# Altium PCB DCI_MB1137 - saved2.PcbDoc (part 2 of 2)
Units mm, origin at the board's own origin, x right, y up, seen from the top; angles counter-clockwise.
Board outline 74.3 x 76.2 mm, 6 copper layers (Top Layer, Top Internal, VDD, GND, Bottom Internal, Bottom Layer), stack 1.114 mm thick; 155 components, 194 nets, 597 pads, 297 vias.
Unrouted connection lines stored in the file: 10.
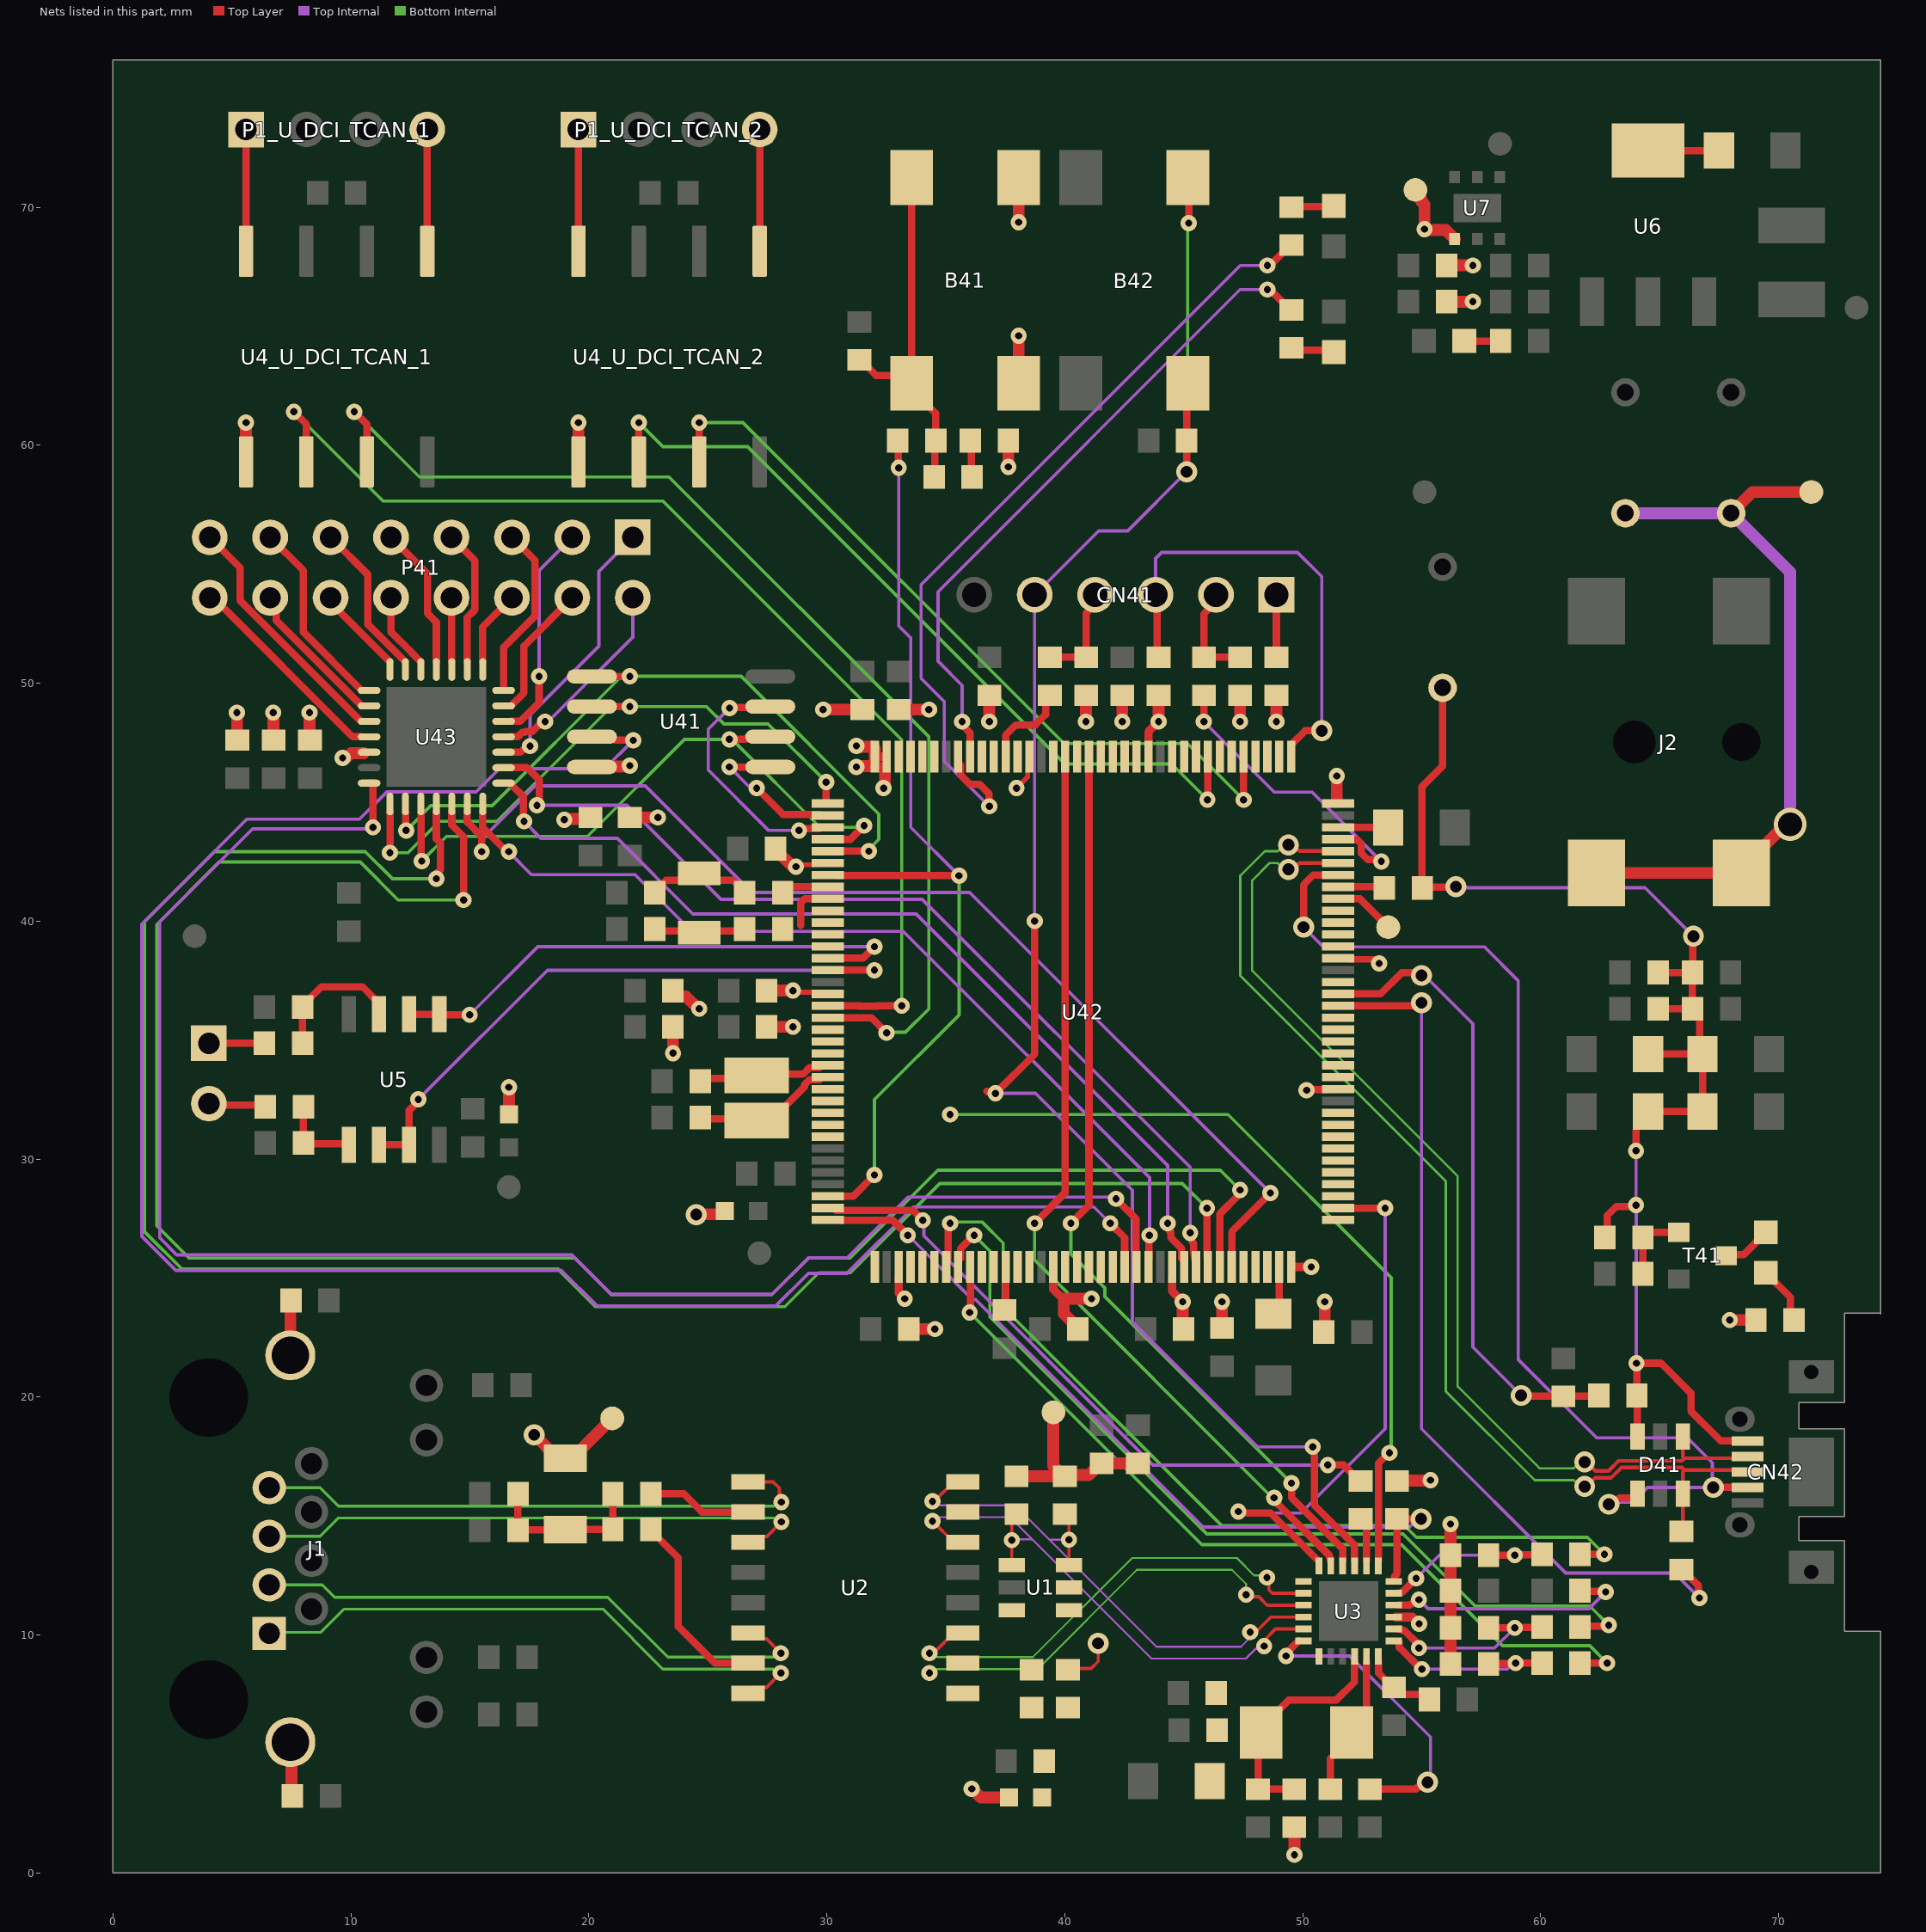
[diagram p6: the nets of this part, all layers, seen from the top]

## Via types
v1: diameter 0.68, hole 0.3, Top Layer to Bottom Layer, 253 vias
v2: diameter 0.88, hole 0.5, Top Layer to Bottom Layer, 29 vias
v3: diameter 1.27, hole 0.711, Top Layer to Bottom Layer, 7 vias
v4: diameter 1.38, hole 1, Top Layer to Bottom Layer, 4 vias
v5: diameter 0.68, hole 0.3, Top Layer to Top Internal, 2 vias
v6: diameter 0.66, hole 0.33, Top Layer to Bottom Layer, 2 vias

## Nets (pads, with @x,y where several pads share a name; then routed paths per layer and width w, separated by ;. In a path a pad name is that pad's centre, name@x,y a point inside that pad or via, vN(x,y) a via of type N, cw(c..) or ccw(c..) an arc to the next point about the centre after c; other vN are vias at no path point) (continued)
NetB41_1: B41.1 B41.4 C41.2 R45.1 R49.1 | length 15.5
  Top Layer w0.308: R49.1@31.369,63.589 31.419,63.589 32.068,62.94 32.978,62.94 34.582,61.336 R45.1@34.582,60.198 34.544,60.16 34.544,58.712 C41.2@34.506,58.674 ; B41.4@33.564,62.604 B41.1@33.564,71.254
NetC2_1: C2.1 R18.2 U3.4 X1.2 | length 8.4
  Top Layer w0.308: X1.2@48.12,5.766 C2.1@48.12,3.523 R18.2@49.644,3.523 ; X1.2@48.922,6.767 49.418,7.263 51.412,7.263 52.18,8.031 U3.4@52.18,8.914
NetC4_2: C4.2 C5.1 U3.6 | length 3.1
  Top Layer w0.308: U3.6@53.18,8.914 53.18,8.408 53.785,7.803 C4.2@53.835,7.803 54.131,7.507 54.35,7.507 54.362,7.495 55.121,7.495 C5.1@55.321,7.295
NetC10_2: C10.2 R11.1 R12.1 R13.1 R14.1 | length 7
  Top Layer w0.308: R14.1@17.016,15.931 R13.1@17.016,14.407 17.028,14.419 18.998,14.419 19.016,14.436 21.002,14.436 R12.1@21.007,14.441 21.006,14.442 21.006,15.929 R11.1@21.004,15.931
NetC12_1: C12.1 U3.5 X1.1 | length 6
  Top Layer w0.308: C12.1@51.168,3.523 51.168,4.814 52.052,5.698 X1.1@52.052,5.898 52.68,6.526 U3.5@52.68,8.914
NetC14_1: C14.1 U6.4 | length 2.9
  Top Layer w0.308: U6.4@64.577,72.39 C14.1@67.498,72.39
NetC41_1: C41.1 R46.2 | length 1.6
  Top Layer w0.308: R46.2@36.03,60.198 36.068,60.16 36.068,58.712 C41.1@36.106,58.674
NetC42_1: C42.1 R47.1 X41.1 | length 3.9
  Top Layer w0.308: C42.1@22.771,39.67 22.847,39.593 24.562,39.593 X41.1@24.638,39.517 24.714,39.593 26.467,39.593 R47.1@26.543,39.67
NetC43_1: C43.1 R48.1 X41.2 | length 4.5
  Top Layer w0.308: C43.1@22.771,41.194 22.771,41.244 23.244,41.717 24.338,41.717 X41.2@24.638,42.017 24.938,41.717 26.07,41.717 26.543,41.244 R48.1@26.543,41.194
NetC47_1: C47.1 U42.106 | length 1.8
  Top Layer w0.308: U42.106@51.841,43.945 53.591,43.945 C47.1@53.594,43.942
NetC48_1: C48.1 U42.71 | length 1.4
  Top Layer w0.308: C48.1@49.017,23.744 U42.71@49.017,25.121
NetC64_1: C64.1 C65.1 C66.1 C67.1 C68.1 C69.1 C70.1 C71.1 CN42.1 D41.6 R43.1 R56.1 R60.1 W2.1 | length 58.4
  Top Layer w0.308: W2.1@55.88,49.814 55.88,46.524 55.01,45.654 55.01,41.453 55.035,41.427 56.413,41.427 v2(56.439,41.453) ; R60.1@62.7,26.708 62.803,26.811 62.803,27.634 63.184,28.016 63.957,28.016 v1(64.008,28.067) ; v1(64.008,30.353) 64.013,30.358 64.013,31.216 64.035,31.237 64.035,31.523 C67.1@64.516,32.004 C65.1@66.802,32.004 C64.1@66.802,34.417 ; D41.6@64.074,18.345 64.06,18.359 64.06,20.051 R56.1@64.046,20.065 64.046,21.403 v1(64.027,21.422) 65.065,21.422 66.318,20.169 66.318,19.407 67.572,18.153 CN42.1@68.35,18.153 ; C66.1@64.516,34.417 C64.1@66.802,34.417 ; C71.1@64.935,36.322 C69.1@66.383,36.322 ; C70.1@64.935,37.846 C68.1@66.383,37.846 ; v2(66.421,39.37) 66.402,39.351 66.402,37.865 C68.1@66.383,37.846 ; C69.1@66.383,36.322 66.675,36.03 66.675,34.544 C64.1@66.802,34.417 ; C69.1@66.383,36.322 C68.1@66.383,37.846
  Top Internal w0.137: v2(56.439,41.453) 56.489,41.402 64.389,41.402 v2(66.421,39.37) ; v1(64.008,30.353) v1(64.008,28.067) 64.017,28.058 64.017,21.432 v1(64.027,21.422)
NetCN41_1: CN41.1 R53.2 | length 2.6
  Top Layer w0.308: R53.2@48.895,51.092 CN41.1@48.895,53.721
NetCN41_2: CN41.2 R50.1 R54.1 | length 4.4
  Top Layer w0.308: CN41.2@46.355,53.721 46.355,53.423 45.847,52.915 R54.1@45.847,51.092 R50.1@47.371,51.092
NetCN41_4: CN41.4 R52.1 R55.1 | length 4.3
  Top Layer w0.308: R55.1@39.37,51.092 R52.1@40.894,51.092 40.894,52.945 41.047,53.097 41.047,53.493 CN41.4@41.275,53.721
NetLD1_1: LD1.1 R28.1 | length 1.5
  Top Layer w0.308: LD1.1@56.791,64.389 R28.1@58.316,64.389
NetLD41_1: LD41.1 R42.2 | length 1.9
  Top Layer w0.308: R42.2@49.53,64.097 49.619,64.008 51.219,64.008 LD41.1@51.308,63.92
NetLD42_1: LD42.1 R44.2 | length 1.8
  Top Layer w0.308: R44.2@49.53,70.015 49.555,70.04 51.283,70.04 LD42.1@51.308,70.065
NetLD43_1: LD43.1 R59.1 | length 2.5
  Top Layer w0.308: LD43.1@69.469,25.223 70.5,24.192 70.5,23.39 R59.1@70.65,23.24
NetLD43_2: LD43.2 T41.3 | length 2.1
  Top Layer w0.308: T41.3@67.802,25.946 67.843,25.987 68.533,25.987 LD43.2@69.469,26.923
NetP1_U_DCI_TCAN_1_1: P1_U_DCI_TCAN_1.1 U4_U_DCI_TCAN_1.8 | length 5.1
  Top Layer w0.308: U4_U_DCI_TCAN_1.8@5.588,68.159 P1_U_DCI_TCAN_1.1@5.588,73.279
NetP1_U_DCI_TCAN_1_4: P1_U_DCI_TCAN_1.4 U4_U_DCI_TCAN_1.5 | length 5.1
  Top Layer w0.308: U4_U_DCI_TCAN_1.5@13.208,68.159 P1_U_DCI_TCAN_1.4@13.208,73.279
NetP1_U_DCI_TCAN_2_1: P1_U_DCI_TCAN_2.1 U4_U_DCI_TCAN_2.8 | length 5.1
  Top Layer w0.308: U4_U_DCI_TCAN_2.8@19.558,68.159 P1_U_DCI_TCAN_2.1@19.558,73.279
NetP1_U_DCI_TCAN_2_4: P1_U_DCI_TCAN_2.4 U4_U_DCI_TCAN_2.5 | length 5.1
  Top Layer w0.308: U4_U_DCI_TCAN_2.5@27.178,68.159 P1_U_DCI_TCAN_2.4@27.178,73.279
NetP2_1: P2.1 R24.2 | length 2.3
  Top Layer w0.308: P2.1@4.026,34.871 R24.2@6.363,34.871
NetP2_2: P2.2 R26.2 | length 2.4
  Top Layer w0.308: P2.2@4.026,32.331 4.089,32.267 6.337,32.267 R26.2@6.401,32.204
NetR3_2: R3.2 R8.1 U3.8 | length 7.9
  Top Layer w0.308: U3.8@54.021,10.241 54.131,10.241 54.174,10.198 54.257,10.198 54.264,10.19 54.277,10.19 54.815,9.652 54.815,9.525 v1(54.886,9.454) ; R3.2@57.81,10.305 58.92,10.305 58.939,10.324 60.036,10.324 R8.1@60.055,10.343
  Top Internal w0.137: v1(54.886,9.454) 58.061,9.454 v1(58.912,10.305)
NetR4_2: R4.2 R9.1 U3.7 | length 7.9
  Top Layer w0.308: U3.7@54.062,9.728 54.062,9.477 54.975,8.565 v1(55.013,8.565) ; R4.2@57.81,8.781 57.829,8.8 58.924,8.8 58.943,8.819 R9.1@60.055,8.819
  Top Internal w0.137: v1(55.013,8.565) 58.595,8.565 58.849,8.819 v1(58.95,8.819)
NetR5_2: R5.2 R16.1 U3.11 | length 7.8
  Top Layer w0.308: U3.11@54.021,11.769 54.131,11.769 54.174,11.812 54.196,11.812 v1(54.765,12.381) ; R5.2@57.81,13.353 58.92,13.353 58.939,13.372 60.036,13.372 R16.1@60.055,13.391
  Top Internal w0.137: v1(54.765,12.381) 55.737,13.353 v1(58.912,13.353)
NetR10_1: R10.1 U3.10 | length 10.4
  Top Layer w0.308: U3.10@54.021,11.255 54.512,11.255 54.672,11.414 54.815,11.414 v1(54.886,11.486) ; R10.1@61.655,11.867 61.683,11.839 62.71,11.839 v1(62.738,11.811)
  Top Internal w0.137: v1(54.886,11.486) 55.267,11.105 62.032,11.105 v1(62.738,11.811)
NetR11_2: R11.2 U2.10 | length 4.4
  Top Layer w0.308: R11.2@22.604,15.931 23.992,15.931 24.754,15.169 U2.10@26.692,15.169
NetR12_2: R12.2 U2.15 | length 8.1
  Top Layer w0.308: R12.2@22.607,14.441 22.607,14.391 23.758,13.239 23.758,10.356 25.295,8.819 U2.15@26.692,8.819
NetR15_1: R15.1 U3.24 | length 12.6
  Top Layer w0.308: v1(49.3,9.12) 49.372,9.191 49.372,9.301 49.825,9.755 U3.24@49.839,9.755 ; R15.1@52.819,3.523 54.76,3.523 54.938,3.701 55.136,3.701 v2(55.245,3.81)
  Top Internal w0.137: v1@49.506,9.12 51.967,9.12 55.372,5.715 55.372,3.937 v2(55.245,3.81)
NetR19_1: R19.1 U3.14 | length 1.9
  Top Layer w0.308: R19.1@52.438,14.877 52.68,14.635 U3.14@52.68,13.096
NetR24_1: R24.1 R25.2 U5.3 | length 5.9
  Top Layer w0.308: R24.1@7.963,34.871 7.963,36.445 8.765,37.247 10.476,37.247 11.176,36.547 U5.3@11.176,36.087
NetR26_1: R26.1 R27.2 U5.5 | length 3.5
  Top Layer w0.308: R26.1@8.001,32.204 R27.2@8.001,30.68 8.037,30.643 9.87,30.643 U5.5@9.906,30.607
NetR60_2: R60.2 R61.2 T41.1 | length 3.1
  Top Layer w0.308: R61.2@64.3,25.184 64.3,26.758 64.468,26.926 T41.1@65.802,26.926
NRST: B42.2 B42.3 C46.2 CN41.5 U3.15 U42.25 | length 75
  Top Layer w0.308: 36.731,32.855 36.75,32.837 37.013,32.837 v1(37.084,32.766) 38.735,34.417 v1(38.735,40.005) ; v2(45.123,58.89) 45.123,62.551 B42.3@45.176,62.604 ; B42.2@45.176,71.254 45.212,71.218 v1(45.212,69.342) ; v1(50.419,17.907) 50.489,17.837 50.489,15.464 52.18,13.772 U3.15@52.18,13.096
  Top Internal w0.137: v1(37.084,32.766) 38.769,32.766 42.842,28.692 42.842,23.161 48.096,17.907 v1(50.419,17.907) ; v1(38.735,40.005) 38.735,53.675 38.712,53.698 41.421,56.407 42.64,56.407 v2(45.123,58.89)
  Bottom Internal w0.137: v2(45.123,58.89) 45.167,58.934 45.167,69.297 v1(45.212,69.342)
PA0: R45.2 U42.7 U42.34 | length 40.6
  Top Layer w0.308: U42.34@30.391,28.445 31.112,28.445 v1(32.004,29.337) ; U42.7@30.391,41.93 35.54,41.93 v1(35.556,41.914) ; R45.2@32.982,60.198 33.001,60.179 33.001,59.074 v1(33.02,59.055)
  Top Internal w0.137: v1(33.02,59.055) 33.02,52.414 33.528,51.906 33.528,43.942 v1(35.556,41.914)
  Bottom Internal w0.137: v1(32.004,29.337) 32.001,29.34 32.001,32.509 35.556,36.064 v1(35.556,41.914)
PA1: R19.2 U42.35 | length 27.1
  Top Layer w0.308: U42.35@30.391,27.845 33.623,27.845 v5(34.036,27.432) ; v1(51.054,17.145) 51.72,17.145 52.388,16.477 R19.2@52.438,16.477
  Top Internal w0.137: v5(34.036,27.432) 34.081,27.387 34.081,26.779 43.715,17.145 v1(51.054,17.145)
PA2: R17.1 U3.12 U42.36 | length 33.9
  Top Layer w0.308: U42.36@30.042,27.445 30.55,27.445 30.563,27.432 32.766,27.432 v5(33.401,26.797) ; 53.85,12.44 53.85,12.459 53.962,12.572 R17.1@53.962,14.877 v2(54.973,14.877)
  Top Internal w0.137: v5(33.401,26.797) 33.418,26.797 36.116,24.099 36.258,24.099 45.813,14.543 54.484,14.543 54.818,14.877 v2(54.973,14.877)
PA3: U42.37
PA4: U42.40
PA5: U42.41
PA6: U42.42
PA7: R16.2 U42.43 | length 37.4
  Top Layer w0.308: U42.43@35.098,25.819 35.098,26.961 35.108,26.971 35.108,27.234 v1(35.179,27.305) ; R16.2@61.655,13.391 v1(62.682,13.391)
  Bottom Internal w0.137: v1(35.179,27.305) 35.236,27.362 36.519,27.362 37.411,26.47 37.411,23.776 46.581,14.605 54.272,14.605 54.774,14.104 61.969,14.104 v1(62.682,13.391)
PA8: U42.100 USB_SOF.1 | length 2.2
  Top Layer w0.308: U42.100@51.841,40.945 52.4,40.945 USB_SOF.1@53.594,39.751
PA9: R43.2 U42.101 | length 1.6
  Top Layer w0.308: U42.101@51.841,41.445 53.386,41.445 R43.2@53.429,41.402
PA10: CN42.4 D41.1 U42.102 | length 47.5
  Top Layer w0.308: v2(50.038,39.751) 50.038,41.529 50.454,41.945 U42.102@51.492,41.945 ; v2(62.865,15.494) 62.974,15.603 63.162,15.603 63.319,15.76 63.928,15.76 64.074,15.907 D41.1@64.074,15.945 ; v2(67.257,16.203) CN42.4@68.35,16.203
  Top Internal w0.137: v2(50.038,39.751) 50.87,38.919 57.645,38.919 59.055,37.509 59.055,21.59 62.357,18.288 66.167,18.288 67.212,17.243 67.212,16.248 v2(67.257,16.203) 64.486,16.203 63.869,15.586 62.957,15.586 v2(62.865,15.494)
PA13: R54.2 U42.105 | length 13.4
  Top Layer w0.308: v1(45.847,48.387) R54.2@45.847,49.492 ; U42.105@51.492,43.445 51.513,43.424 52.293,43.424 52.471,43.246 52.471,42.852 52.738,42.585 53.232,42.585 v1(53.304,42.514)
  Top Internal w0.137: v1(45.847,48.387) 48.809,45.425 50.393,45.425 v1(53.304,42.514)
PA14: CN41.3 R51.1 U42.109 | length 19.7
  Top Layer w0.308: CN41.3@43.815,53.721 43.878,53.657 43.878,51.155 R51.1@43.942,51.092 ; U42.109@49.517,47.42 50.101,48.004 50.798,48.004 v2(50.8,48.006)
  Top Internal w0.137: CN41.3@43.815,53.721 43.815,55.245 44.069,55.499 49.784,55.499 50.8,54.483 v2(50.8,48.006)
PA15: U42.110
PB0: U42.46
PB1: U42.47
PB2: R41.1 U42.48 | length 1.4
  Top Layer w0.308: R41.1@37.517,23.712 U42.48@37.517,25.121
PB3: R55.2 U42.133 | length 3.5
  Top Layer w0.308: U42.133@37.517,47.269 37.517,47.816 37.951,48.25 38.762,48.25 39.196,48.684 39.196,49.318 R55.2@39.37,49.492
PB4: U42.134
PB5: U42.135
PB6: R42.1 U42.136 | length 27.6
  Top Layer w0.308: v1(35.687,48.387) 35.758,48.316 35.758,48.177 36.017,47.918 U42.136@36.017,47.269 ; v1(48.514,66.548) 48.585,66.477 48.7,66.477 49.48,65.697 R42.1@49.53,65.697
  Top Internal w0.137: v1(35.687,48.387) 35.687,49.911 34.671,50.927 34.671,53.848 47.371,66.548 v1(48.514,66.548)
PB7: R44.1 U42.137 | length 34.5
  Top Layer w0.308: U42.137@35.617,46.571 35.617,46.152 36.015,45.754 36.427,45.754 36.825,45.356 36.825,44.836 v1(36.83,44.831) ; v1(48.514,67.564) 48.585,67.635 48.7,67.635 49.48,68.415 R44.1@49.53,68.415
  Top Internal w0.137: v1(36.83,44.831) 34.933,46.728 34.933,49.239 33.961,50.211 33.961,54.143 47.382,67.564 v1(48.514,67.564)
PB8: U42.139
PB9: U42.140
PB10: U42.69
PB11: U42.70
PB12: U42.73
PB13: U3.18 U42.74 | length 22.8
  Top Layer w0.308: v1(47.298,15.186) 47.35,15.134 48.642,15.134 U3.18@50.68,13.096 ; U42.74@51.841,27.943 53.464,27.943 v1(53.467,27.94)
  Top Internal w0.137: v1(47.298,15.186) 47.358,15.126 49.924,15.126 53.467,18.669 v1(53.467,27.94)
PB14: U42.75
PB15: U42.76
PC0: U42.26
PC1: U3.13 U42.27 | length 33.6
  Top Layer w0.308: v1@35.145,31.911 v1(35.179,31.877) ; U3.13@53.18,13.096 53.18,17.217 53.617,17.653 v1(53.649,17.653)
  Bottom Internal w0.137: v1(35.179,31.877) 46.863,31.877 53.721,25.019 53.721,17.725 v1(53.649,17.653)
PC2: U42.28
PC3: U42.29
PC4: R8.2 U42.44 | length 37.5
  Top Layer w0.308: U42.44@35.617,25.819 35.617,26.238 36.176,26.797 v1(36.195,26.797) ; R8.2@61.655,10.343 61.691,10.378 62.829,10.378 v1(62.865,10.414)
  Bottom Internal w0.137: v1(36.195,26.797) 36.855,26.137 36.855,23.362 45.963,14.254 54.218,14.254 57.248,11.224 62.055,11.224 v1(62.865,10.414)
PC5: R9.2 U42.45 | length 35.6
  Top Layer w0.308: v1(36.002,23.556) 36.043,23.597 U42.45@36.043,25.121 ; R9.2@61.655,8.819 v1(62.794,8.819)
  Bottom Internal w0.137: v1(36.002,23.556) 45.759,13.798 54.152,13.798 58.399,9.551 62.062,9.551 v1(62.794,8.819)
PC6: U42.96
PC7: U42.97
PC8: U42.98
PC9: U42.99
PC10: U42.111
PC11: U42.112
PC12: U4_U_DCI_TCAN_2.3 U42.113 | length 32.6
  Top Layer w0.308: U4_U_DCI_TCAN_2.3@24.638,59.309 v1(24.638,60.96) ; v1(47.517,45.104) U42.113@47.517,46.571
  Bottom Internal w0.137: v1(24.638,60.96) 26.475,60.96 39.964,47.471 45.15,47.471 v1(47.517,45.104)
PC14: R48.2 U42.8 | length 1.7
  Top Layer w0.308: R48.2@28.143,41.194 28.394,41.445 U42.8@29.693,41.445
PC15: R47.2 U42.9 | length 2.2
  Top Layer w0.308: 28.897,39.819 28.897,40.765 29.077,40.945 U42.9@30.042,40.945
PD0: U42.114
PD1: U42.115
PD2: U4_U_DCI_TCAN_2.2 U42.116 | length 33.9
  Top Layer w0.308: U4_U_DCI_TCAN_2.2@22.098,59.309 v1(22.098,60.96) ; v1(45.995,45.106) 46.006,45.117 46.006,46.909 U42.116@46.017,46.92
  Bottom Internal w0.137: v1(22.098,60.96) 23.114,59.944 26.67,59.944 40.005,46.609 44.493,46.609 v1(45.995,45.106)
PD3: U42.117
PD4: U42.118
PD5: U42.119
PD6: U42.122
PD7: U42.123
PD8: U42.77
PD9: U42.78
PD10: U42.79
PD11: U42.80
PD12: U42.81
PD13: U42.82
PD14: U42.85
PD15: U42.86
PE0: U42.141
PE1: U42.142
PE2: U41.6 U42.1 U43.8 | length 27
  Top Layer w0.308: v1(11.639,42.881) U43.8@11.639,44.606 ; U41.6@19.376,49.022 v1(21.717,49.022) ; U42.1@29.972,45.096 v1(29.972,45.847)
  Bottom Internal w0.137: v1(11.639,42.881) 12.401,42.881 13.716,44.196 16.129,44.196 20.955,49.022 24.939,49.022 25.674,48.288 27.531,48.288 v1(29.972,45.847)
PE3: U41.1 U42.2 | length 6.3
  Top Layer w0.308: v1(25.908,46.482) U41.1@27.626,46.482 ; v1(27.051,45.593) 28.149,44.495 U42.2@29.693,44.495
  Top Internal w0.137: v1(25.908,46.482) 26.693,45.697 26.947,45.697 v1(27.051,45.593)
PE4: U41.3 U42.3 | length 10.5
  Top Layer w0.308: v1(25.909,48.962) 25.939,48.992 27.596,48.992 U41.3@27.626,49.022 ; v1(28.829,43.815) 28.9,43.886 29.163,43.886 29.172,43.895 U42.3@29.693,43.895
  Top Internal w0.137: v1(25.909,48.962) 25.019,48.072 25.019,46.355 27.559,43.815 v1(28.829,43.815)
PE5: U41.2 U42.4 U43.10 | length 26.8
  Top Layer w0.308: U43.10@12.943,44.606 12.954,44.595 12.954,42.545 v1(12.973,42.526) ; v1(25.908,47.645) 25.913,47.65 26.584,47.65 26.629,47.696 26.872,47.696 U41.2@26.902,47.726 ; U42.4@30.391,43.445 30.999,43.445 v1(31.569,44.015)
  Bottom Internal w0.137: v1(12.973,42.526) 14.015,43.569 19.941,43.569 24.017,47.645 26.015,47.645 29.718,43.942 31.496,43.942 v1(31.569,44.015)
PE6: U41.5 U42.5 U43.9 | length 30.4
  Top Layer w0.308: U43.9@12.304,44.581 12.304,43.83 v1(12.319,43.815) ; U41.5@20.126,50.292 v1(21.717,50.292) ; U42.5@30.391,42.945 v1(31.769,42.945)
  Bottom Internal w0.137: v1(12.319,43.815) 13.359,44.855 15.932,44.855 21.295,50.217 21.642,50.217 v1(21.717,50.292) 26.397,50.292 32.184,44.505 32.184,43.439 31.769,43.024 v1(31.769,42.945)
PE7: U41.7 U42.58 | length 83.7
  Top Layer w0.308: U41.7@20.85,47.726 20.981,47.726 21.095,47.612 21.857,47.612 v1(21.863,47.606) ; v1(41.91,27.305) 42.517,26.698 U42.58@42.517,25.819
  Top Internal w0.137: v1(21.863,47.606) 20.665,46.409 16.236,46.409 15.262,45.435 11.506,45.435 10.359,44.288 5.622,44.288 1.216,39.882 1.216,26.753 2.642,25.327 18.84,25.327 20.345,23.822 27.848,23.822 29.226,25.2 30.846,25.2 33.638,27.992 41.223,27.992 v1(41.91,27.305)
PE8: U42.59 U43.7 | length 71.7
  Top Layer w0.308: U43.7@10.764,45.802 10.768,45.798 10.922,45.798 v1(10.922,43.942) ; v1(42.154,28.331) 42.996,27.489 U42.59@42.996,25.819
  Top Internal w0.137: v1(10.922,43.942) 10.866,43.886 5.865,43.886 1.961,39.982 1.961,26.693 2.675,25.979 19.281,25.979 20.947,24.313 27.694,24.313 29.233,25.852 30.853,25.852 33.403,28.402 42.083,28.402 v1(42.154,28.331)
PE9: U42.60 U43.14 | length 38.2
  Top Layer w0.308: U43.14@15.539,44.606 15.539,43.941 16.554,42.926 v1(16.637,42.926) ; U42.60@43.539,25.819 43.539,26.775 v1(43.561,26.797)
  Top Internal w0.137: v1(16.637,42.926) 16.637,42.909 17.587,41.959 21.939,41.959 24.325,39.573 33.215,39.573 43.561,29.227 v1(43.561,26.797)
PE10: U42.63 U43.15 | length 39
  Top Layer w0.308: U43.15@16.735,45.798 16.735,45.749 17.255,45.229 17.255,44.213 v1(17.272,44.196) ; v1(44.323,27.305) 44.394,27.234 44.394,27 44.456,26.939 44.456,26.699 44.917,26.238 U42.63@44.917,25.819
  Top Internal w0.137: v1(17.272,44.196) 17.985,43.483 21.191,43.483 24.366,40.308 33.75,40.308 44.323,29.735 v1(44.323,27.305)
PE11: U42.64 U43.16 | length 40.5
  Top Layer w0.308: U43.16@16.735,46.452 17.399,46.452 17.92,45.931 17.92,45.072 17.82,44.972 v1(17.82,44.871) ; v1(45.272,26.903) 45.343,26.832 45.343,26.569 45.37,26.542 45.37,26.504 45.417,26.457 45.417,26.07 U42.64@45.517,25.47
  Top Internal w0.137: v1(17.82,44.871) 21.599,44.871 25.546,40.924 34.008,40.924 45.272,29.66 v1(45.272,26.903)
PE12: U42.65 U43.11 | length 80.6
  Top Layer w0.308: v1(13.589,41.783) 13.66,41.854 13.66,42.06 13.756,42.156 13.756,43.298 13.589,43.464 U43.11@13.589,44.606 ; U42.65@45.974,25.819 v1(45.974,27.94)
  Bottom Internal w0.137: v1(13.589,41.783) 11.742,41.783 10.599,42.926 4.26,42.926 1.318,39.983 1.318,26.957 2.898,25.377 18.699,25.377 20.279,23.797 28.235,23.797 29.663,25.225 30.998,25.225 34.746,28.974 44.94,28.974 v1(45.974,27.94)
PE13: U42.66 U43.12 | length 83.7
  Top Layer w0.308: U43.12@14.239,44.606 14.239,44.049 14.732,43.556 v1(14.732,40.894) ; U42.66@46.517,25.819 46.517,27.705 47.3,28.487 47.3,28.631 v1(47.371,28.702)
  Bottom Internal w0.137: v1(14.732,40.894) 11.986,40.894 10.391,42.489 4.468,42.489 1.834,39.855 1.834,27.208 3.201,25.841 19.408,25.841 20.936,24.313 27.694,24.313 29.222,25.841 30.969,25.841 34.663,29.535 46.538,29.535 v1(47.371,28.702)
PE14: U42.67 U43.13 | length 47.1
  Top Layer w0.308: U43.13@14.889,44.606 14.889,44.167 15.494,43.562 v1(15.494,42.926) ; U42.67@47.017,25.819 47.017,26.951 v1(48.641,28.575)
  Top Internal w0.137: v1(15.494,42.926) 15.566,42.998 15.566,43.526 17.731,45.691 22.367,45.691 26.848,41.21 36.006,41.21 v1(48.641,28.575)
PE15: U42.68
PF0: U42.10
PF1: U42.11
PF2: U42.12
PF3: U42.13
PF4: U5.1 U5.2 U42.14 | length 22.6
  Top Layer w0.308: U5.2@12.446,36.087 U5.1@13.716,36.087 13.735,36.068 v1(14.986,36.068) ; U42.14@30.391,38.445 31.519,38.445 v1(32.004,38.93)
  Top Internal w0.137: v1(14.986,36.068) 17.848,38.93 v1(32.004,38.93)
PF5: U5.6 U5.7 U42.15 | length 26.4
  Top Layer w0.308: U5.6@11.176,30.607 U5.7@12.446,30.607 12.446,32.055 12.827,32.436 v1(12.827,32.512) ; U42.15@30.391,37.945 32.001,37.945 v1(32.004,37.942)
  Top Internal w0.137: v1(12.827,32.512) 18.257,37.942 v1(32.004,37.942)
PF6: U4_U_DCI_TCAN_1.2 U42.18 | length 47.5
  Top Layer w0.308: v1(7.598,61.412) 8.128,60.882 U4_U_DCI_TCAN_1.2@8.128,59.309 ; U42.18@30.391,36.447 31.369,36.447 31.381,36.435 32.116,36.435 32.127,36.447 33.145,36.447 v1(33.147,36.449)
  Bottom Internal w0.137: v1(7.598,61.412) 11.352,57.658 23.114,57.658 33.147,47.625 v1(33.147,36.449)
PF7: U4_U_DCI_TCAN_1.3 U42.19 | length 48.1
  Top Layer w0.308: v1(10.138,61.412) 10.668,60.882 U4_U_DCI_TCAN_1.3@10.668,59.309 ; U42.19@30.391,35.945 31.873,35.945 v1(32.512,35.306)
  Bottom Internal w0.137: v1(10.138,61.412) 12.876,58.674 23.368,58.674 34.29,47.752 34.29,36.322 33.305,35.337 32.543,35.337 v1(32.512,35.306)
PF8: U42.20
PF9: U42.21
PF10: U42.22
PF11: U42.49
PF12: U42.50
PF13: U42.53
PF14: U42.54
PF15: U42.55
PG0: U42.56
PG1: U42.57
PG2: U42.87
PG3: U42.88
PG4: U42.89
PG5: U42.90
PG6: R57.2 U42.91 | length 37.7
  Top Layer w0.308: U42.91@51.492,36.445 54.705,36.445 54.836,36.576 v2(54.991,36.576) v2@54.926,36.511 ; R57.2@65.913,12.751 65.963,12.751 66.621,12.093 66.621,11.611 v1(66.675,11.557)
  Top Internal w0.137: v2(54.991,36.576) 54.991,18.669 61.059,12.601 65.631,12.601 v1(66.675,11.557)
PG7: R56.2 R58.1 U42.92 | length 26.3
  Top Layer w0.308: U42.92@51.841,36.945 53.273,36.945 54.168,37.84 54.715,37.84 54.836,37.719 v2(54.991,37.719) ; v2(59.182,20.066) 59.201,20.047 R58.1@60.979,20.047 ; R58.1@60.979,20.046 62.427,20.046 R56.2@62.446,20.065
  Top Internal w0.137: v2(54.991,37.719) 55.118,37.719 57.15,35.687 57.15,22.098 v2(59.182,20.066)
PG8: U42.93
PG9: U42.124
PG10: U42.125
PG11: U3.16 U42.126 | length 38.5
  Top Layer w0.308: v1(40.259,27.305) 41.017,28.063 U42.126@41.017,46.571 ; v1(49.53,16.383) 49.53,15.775 51.68,13.625 U3.16@51.68,13.096
  Bottom Internal w0.137: v1@40.259,27.275 40.259,26.015 41.686,24.588 41.686,24.227 v1(49.53,16.383)
PG12: U42.127
PG13: U3.17 U42.128 | length 39.2
  Top Layer w0.308: v1(38.735,27.305) 40.017,28.587 U42.128@40.017,46.571 ; v1(48.799,15.769) 48.799,15.669 48.985,15.482 48.985,15.474 51.123,13.336 51.123,13.249 51.166,13.206 U3.17@51.166,13.096
  Bottom Internal w0.137: v1@38.735,27.275 38.735,25.756 48.722,15.769 v1(48.799,15.769)
PG14: U42.129
PG15: U42.132
PH0: C44.1 U42.23 X42.2 | length 5.3
  Top Layer w0.308: C44.1@24.676,33.274 24.803,33.401 26.924,33.401 27.091,33.568 28.997,33.568 29.274,33.845 U42.23@29.693,33.845
PH1: C45.1 U42.24 X42.1 | length 5.8
  Top Layer w0.308: C45.1@24.676,31.75 24.737,31.689 26.99,31.689 X42.1@27.051,31.628 27.651,31.628 29.063,33.04 29.063,33.134 29.274,33.345 U42.24@29.693,33.345
PWR_JACK: J2.1 TP_PJ.1 W3.1 W4.1 | length 31.4
  Top Layer w0.5: J2.1@62.34,42.028 J2.1@68.44,42.028 68.44,42.228 70.281,44.069 v4(70.485,44.069) ; W3.1@68.006,57.15 68.895,58.039 TP_PJ.1@71.374,58.039
  Top Internal w0.5: W4.1@63.561,57.15 W3.1@68.006,57.15 70.485,54.671 v4(70.485,44.069)
PX0: P41.1 U43.17 | length 11.5
  Top Layer w0.308: U43.17@16.735,47.102 17.127,47.102 17.311,47.286 17.455,47.286 v1(17.526,47.358)
  Top Internal w0.137: v1(17.526,47.358) 17.526,48.672 20.418,51.565 20.418,54.708 P41.1@21.844,56.134
PX1: P41.2 U43.18 | length 8.5
  Top Layer w0.308: U43.18@16.735,47.756 17.014,47.756 17.202,47.944 17.304,47.944 17.339,47.98 17.631,47.98 17.852,48.201 17.874,48.201 18.06,48.387 v1(18.161,48.387)
  Top Internal w0.137: v1(18.161,48.387) 18.288,48.387 21.844,51.943 P41.2@21.844,53.594
PX2: P41.3 U43.19 | length 9
  Top Layer w0.308: U43.19@16.735,48.402 17.114,48.402 17.907,49.195 v1(17.907,50.292)
  Top Internal w0.137: v1(17.907,50.292) 17.907,54.737 P41.3@19.304,56.134
PX3: P41.4 U43.20 | length 5.6
  Top Layer w0.308: U43.20@16.735,49.056 17.272,49.593 17.272,51.562 P41.4@19.304,53.594
PX4: P41.5 U43.21 | length 7.2
  Top Layer w0.308: 16.414,49.878 16.414,51.51 17.739,52.835 17.739,55.159 P41.5@16.764,56.134
PX5: P41.6 U43.22 | length 3.2
  Top Layer w0.308: U43.22@15.539,50.898 15.539,52.369 P41.6@16.764,53.594
PX6: P41.7 U43.23 | length 5.8
  Top Layer w0.308: P41.7@14.224,56.134 15.207,55.151 15.207,53.086 14.889,52.769 U43.23@14.889,50.898
PX7: P41.8 U43.24 | length 2.7
  Top Layer w0.308: P41.8@14.224,53.594 14.232,53.586 14.232,50.902 U43.24@14.235,50.898
PX8: P41.9 U43.25 | length 6
  Top Layer w0.308: P41.9@11.684,56.134 13.211,54.607 13.211,52.942 13.589,52.564 U43.25@13.589,50.898
PX9: P41.10 U43.26 | length 3.2
  Top Layer w0.308: P41.10@11.684,53.594 11.684,52.157 12.555,51.286 12.555,51.278 U43.26@12.935,50.898
PX10: P41.11 U43.27 | length 6.5
  Top Layer w0.308: P41.11@9.144,56.134 10.709,54.569 10.709,52.48 12.097,51.092 12.097,51.086 U43.27@12.285,50.898
PX11: P41.12 U43.28 | length 3.7
  Top Layer w0.308: P41.12@9.144,53.594 9.144,53.397 11.639,50.902 U43.28@11.639,50.898
PX12: P41.13 U43.1 | length 8
  Top Layer w0.308: P41.13@6.604,56.134 8.001,54.737 8.001,52.148 U43.1@10.443,49.706
PX13: P41.14 U43.2 | length 6.1
  Top Layer w0.308: P41.14@6.604,53.594 6.604,53.271 6.862,53.013 6.862,52.637 U43.2@10.443,49.056
PX14: P41.15 U43.3 | length 10.4
  Top Layer w0.308: P41.15@4.064,56.134 5.334,54.864 5.334,53.485 10.417,48.402 U43.3@10.443,48.402
PX15: P41.16 U43.4 | length 8.8
  Top Layer w0.308: P41.16@4.064,53.594 4.228,53.594 10.07,47.752 U43.4@10.443,47.752
RD_N: R1.1 U1.6 U2.8 U3.22 | length 23.1
  Top Layer w0.136: v1(34.439,15.618) 34.511,15.618 35.332,16.439 U2.8@35.712,16.439 ; R1.1@40.005,15.075 40.176,14.904 U1.6@40.176,12.944 ; v1@48.105,10.205 48.656,10.755 U3.22@50.03,10.755
  Top Internal w0.082: v1(34.439,15.618) 34.601,15.618 34.766,15.453 37.911,15.453 39.365,13.998 ; v1(40.176,14.004) 39.37,14.004 39.365,13.998 ; v1(47.79,10.122) 47.675,10.008 47.675,9.775 47.408,9.507 43.856,9.507 39.365,13.998
RD_P: R6.1 U1.1 U2.6 U3.23 | length 23
  Top Layer w0.136: v1(34.439,14.788) 34.443,14.788 35.332,13.899 U2.6@35.712,13.899 ; U1.1@37.776,12.944 37.776,14.878 R6.1@37.973,15.075 ; v1@48.459,9.851 48.863,10.255 U3.23@50.03,10.255
  Top Internal w0.082: v1@34.594,14.826 34.639,14.826 34.766,14.953 37.703,14.953 38.63,14.026 ; v1(37.776,13.991) 37.811,14.026 38.63,14.026 ; v1(48.377,9.535) 48.262,9.421 48.029,9.421 47.615,9.007 43.649,9.007 38.63,14.026
RX_N: J1.7 U2.9 | length 24
  Top Layer w0.137: U2.9@26.692,16.439 27.742,16.439 28.007,16.173 28.007,15.666 v1(28.089,15.584)
  Bottom Internal w0.12: J1.7@6.562,16.189 8.701,16.189 9.471,15.419 27.773,15.419 27.938,15.584 v1(28.089,15.584)
RX_P: J1.5 U2.11 | length 23.7
  Top Layer w0.137: U2.11@26.692,13.899 26.94,14.146 27.482,14.146 v1(28.089,14.754)
  Bottom Internal w0.12: J1.5@6.562,14.149 8.701,14.149 9.471,14.919 27.773,14.919 27.938,14.754 v1(28.089,14.754)
SHIELD: C10.1 J1.S1 J1.S2 R29.2 R30.2 TP_EGND.1 | length 8.9
  Top Layer w0.5: J1.S2@7.452,5.499 7.497,5.454 7.497,3.276 R29.2@7.542,3.231 ; J1.S1@7.452,21.759 R30.2@7.452,23.969 ; v2(17.701,18.415) 18.646,17.47 19.375,17.47 19.66,17.756 19.66,17.786 TP_EGND.1@20.98,19.106
TD_N: R2.1 U1.3 U2.3 U3.20 | length 22
  Top Layer w0.136: v1@34.56,9.334 34.564,9.338 34.582,9.338 35.332,10.089 U2.3@35.712,10.089 ; R2.1@40.176,8.591 41.103,8.591 41.402,8.89 v2(41.402,9.652) ; v1(48.495,12.419) 48.577,12.336 48.577,11.902 48.724,11.755 U3.20@50.03,11.755
  Bottom Internal w0.082: v1(34.312,9.234) 34.474,9.234 34.639,9.069 38.66,9.069 42.829,13.238 47.232,13.238 47.969,12.501 48.412,12.501 v1(48.495,12.419)
TD_P: R7.1 U1.4 U2.1 U3.21 | length 18.4
  Top Layer w0.136: v1(47.62,11.695) 47.702,11.613 48.149,11.613 48.508,11.255 U3.21@50.03,11.255
  Bottom Internal w0.082: v1(34.312,8.404) 34.474,8.404 34.639,8.569 38.867,8.569 43.036,12.738 47.025,12.738 47.617,12.145 47.617,11.698 v1(47.62,11.695)
TX_N: J1.3 U2.14 | length 24.6
  Top Layer w0.137: U2.14@26.692,10.089 26.944,9.837 27.464,9.837 v1(28.067,9.234)
  Bottom Internal w0.12: J1.3@6.562,12.109 8.797,12.109 9.317,11.589 20.796,11.589 23.316,9.069 27.751,9.069 27.916,9.234 v1(28.067,9.234)
TX_P: J1.1 U2.16 | length 24.8
  Top Layer w0.137: U2.16@26.692,7.549 26.944,7.8 27.464,7.8 v1(28.067,8.404)
  Bottom Internal w0.12: J1.1@6.562,10.069 6.607,10.114 8.746,10.114 9.721,11.089 20.589,11.089 23.109,8.569 27.751,8.569 27.916,8.404 v1(28.067,8.404)
USB_D_N: CN42.2 D41.4 U42.103 | length 44.1
  Top Layer w0.159: v2(49.403,42.18) 49.541,42.318 49.737,42.318 49.865,42.445 U42.103@51.492,42.445 ; v2(61.849,17.272) 61.931,17.272 62.303,16.9 62.853,16.9 63.274,17.321 65.947,17.321 66.04,17.414 66.04,17.428 ; D41.4@65.974,18.345 65.974,17.494 66.04,17.428 ; CN42.2@68.699,17.503 68.624,17.428 66.04,17.428
  Bottom Internal w0.097: v2(49.403,42.18) 49.218,42.18 48.953,42.445 48.613,42.445 47.879,41.711 47.879,37.918 56.515,29.282 56.515,20.447 59.955,17.007 61.399,17.007 61.664,17.272 v2(61.849,17.272)
USB_D_P: CN42.3 D41.3 R57.1 U42.104 | length 47.4
  Top Layer w0.159: v2(49.403,43.21) 49.541,43.072 49.737,43.072 49.865,42.945 U42.104@51.492,42.945 ; v2(61.849,16.242) 61.931,16.242 62.303,16.614 62.972,16.614 63.393,17.035 65.947,17.035 66.04,16.942 66.04,16.928 ; R57.1@65.913,14.351 65.974,14.412 65.974,16.862 66.04,16.928 ; CN42.3@68.699,16.853 68.624,16.928 66.04,16.928
  Bottom Internal w0.097: v2(49.403,43.21) 49.218,43.21 48.953,42.945 48.406,42.945 47.379,41.918 47.379,37.711 56.015,29.075 56.015,20.24 59.748,16.507 61.399,16.507 61.664,16.242 v2(61.849,16.242)
VDD: B41.2 B41.3 C6.2 C17.1 C19.2 C49.1 C51.1 C52.1 C53.1 C54.1 C55.1 C56.1 C57.1 C58.1 C59.1 C60.1 C61.1 C62.1 C63.1 C72.1 C73.1 C74.1 C75.1 C76.1 L1.2 L2.1 L41.1 R3.1 R4.1 R5.1 R17.2 R18.1 R46.1 R50.2 R51.2 R52.2 R53.1 R59.2 TP_V.1 U3.9 U4_U_DCI_TCAN_1.1 U4_U_DCI_TCAN_2.1 U7.4 U41.8 U42.6 U42.17 U42.39 U42.52 U42.62 U42.72 U42.84 U42.95 U42.108 U42.121 U42.131 U42.143 U42.144 U43.5 | length 75.2
  Top Layer w0.2: v1@28.702,42.351 28.721,42.37 U42.6@29.617,42.37 ; v1(37.973,45.593) 38.442,46.062 U42.131@38.442,46.495
  Top Layer w0.211: v1(28.575,37.084) 28.644,37.015 U42.17@29.617,37.015
  Top Layer w0.259: U42.95@51.917,38.399 53.042,38.399 v1(53.213,38.229)
  Top Layer w0.298: v1(50.165,32.893) 50.191,32.919 U42.84@51.067,32.919
  Top Layer w0.35: U42.144@32.017,46.92 U42.143@32.517,46.92 ; U42.39@33.017,25.045 33.017,24.387 v1(33.274,24.13) ; U42.52@39.517,25.045 39.517,24.531 39.962,24.087 ; U42.121@43.517,47.345 43.517,47.962 v1(43.942,48.387) ; U42.62@44.517,25.045 44.517,24.444 v1(44.958,24.003) ; U42.72@49.517,25.47 v1(50.362,25.47)
  Top Layer w0.392: U3.9@53.925,10.755 54.61,10.755 v1(54.891,10.474)
  Top Layer w0.5: v1(5.207,48.768) 5.217,48.758 5.217,47.623 C76.1@5.226,47.613 ; U4_U_DCI_TCAN_1.1@5.588,59.309 v1(5.588,60.96) ; v1(6.731,48.768) 6.741,48.758 6.741,47.623 C75.1@6.75,47.613 ; v1(8.255,48.768) 8.265,48.758 8.265,47.623 C74.1@8.274,47.613 ; v1(9.652,46.863) 9.686,46.897 9.832,46.897 9.887,46.953 9.892,46.953 10.003,47.064 U43.5@10.539,47.064 ; L2.1@16.637,31.886 v1(16.637,33.02) ; v1(18.961,44.266) 18.995,44.3 20.005,44.3 C73.1@20.066,44.361 ; U4_U_DCI_TCAN_2.1@19.558,59.309 v1(19.558,60.96) ; U41.8@20.126,46.482 20.145,46.501 21.63,46.501 21.668,46.539 v1(21.717,46.539) ; C72.1@21.717,44.361 v1(22.898,44.361) ; v1(23.533,34.455) C54.1@23.533,35.56 ; C53.1@23.533,37.084 23.533,37.034 23.733,36.834 24.077,36.834 24.589,36.322 v1(24.638,36.322) ; v2(24.511,27.67) 24.526,27.685 25.589,27.685 L41.1@25.717,27.813 ; C52.1@27.47,35.56 v1(28.575,35.56) ; C51.1@27.47,37.084 v1(28.575,37.084) ; C49.1@27.851,43.053 27.851,43.003 28.529,42.325 28.668,42.325 v1(28.702,42.291) ; v1(29.845,48.895) C59.1@31.546,48.895 ; v1(31.242,46.482) 31.276,46.516 31.942,46.516 32.017,46.591 U42.144@32.017,46.92 32.017,47.262 31.942,47.337 31.276,47.337 v1(31.242,47.371) ; v1(32.385,45.593) 32.419,45.627 32.419,45.755 32.442,45.777 U42.143@32.442,46.495 ; C60.1@33.02,48.895 v1(34.29,48.895) ; C55.1@33.439,22.86 v1(34.544,22.86) ; v1(36.088,3.536) 36.11,3.536 36.471,3.175 L1.2@37.655,3.175 ; v1(36.83,48.387) C62.1@36.83,49.492 ; v1(37.63,59.093) R46.1@37.63,60.198 ; B41.3@38.064,62.604 v1(38.064,64.607) ; v1(38.064,69.378) B41.2@38.064,71.254 ; C57.1@40.551,22.86 40.551,22.91 39.962,23.499 39.962,24.087 40.006,24.131 v1(41.128,24.131) ; v1(40.894,48.387) R52.2@40.894,49.492 ; v1(42.418,48.387) C61.1@42.418,49.492 ; v1(43.942,48.387) R51.2@43.942,49.492 ; v1(44.958,24.003) 44.958,22.898 C56.1@44.996,22.86 ; C63.1@46.609,22.898 v1(46.609,24.003) ; v1(47.371,48.387) R50.2@47.371,49.492 ; v1(48.895,48.387) R53.1@48.895,49.492 ; R18.1@49.644,1.923 49.657,1.91 v1(49.657,0.762) ; C58.1@50.889,22.733 50.927,22.771 v1(50.927,24.003) ; U42.108@51.435,45.02 v1(51.435,46.101) ; R17.2@53.962,16.477 53.979,16.493 55.355,16.493 v1(55.372,16.51) ; TP_V.1@54.737,70.739 54.737,70.604 54.987,70.354 54.987,70.259 55.118,70.128 v1(55.118,69.088) 55.152,69.054 56.011,69.054 U7.4@56.388,68.677 ; C17.1@56.172,66.04 v1(57.15,66.04) ; C19.2@56.172,67.564 v1(57.15,67.564) ; R4.1@56.21,8.781 R3.1@56.21,10.305 R5.1@56.21,13.353 v1(56.21,14.662) ; v1(67.945,23.241) R59.2@69.05,23.24 R59.2@69.05,23.24
VDD_ETHERNET: C1.2 C3.1 C7.2 C8.2 C9.2 C11.2 L1.1 R1.2 R2.2 R6.2 R7.2 TP_AV_ETH.1 U1.5 U2.2 U2.7 U3.1 U3.19 | length 8.2
  Top Layer w0.5: R6.2@37.973,16.675 R1.2@40.005,16.675 40.055,16.725 41.011,16.725 41.504,17.218 C8.2@43.078,17.218 ; TP_AV_ETH.1@39.522,19.36 39.522,17.108 R1.2@39.955,16.675
pads on no net: J1.MH1 J1.MH2 J2.MH1 J2.MH2 U2.4 U2.5 U2.12 U2.13 U7.3 U7.5

## Polygon pours and split planes (outlines as drawn)
AGND on Bottom Layer "AGND_L06_P004" (solid, remove dead copper, pour order 4): 28.829,38.735 30.988,38.735 31.242,38.481 31.242,37.846 30.988,37.592 19.431,37.592 18.542,36.703 18.542,32.131 20.066,30.607 20.32,30.607 30.861,30.607 31.242,30.226 31.242,29.083 30.861,28.702 29.083,28.702 28.067,27.686 28.067,25.019 27.686,24.638 21.082,24.638 18.415,27.305 3.302,27.305 2.286,28.321 2.286,39.243 3.302,40.259 15.69,40.259 17.399,38.735
GND on Bottom Layer "NONET_L06_P017" (solid, remove dead copper, shelved, pour order 17): 0.508,74.93 1.27,75.692 73.787,75.692 73.787,24.13 72.136,24.13 72.136,20.193 70.358,20.193 70.358,18.288 72.136,18.288 72.136,15.494 72.009,15.367 70.358,15.367 70.358,13.462 72.263,13.462 72.263,9.525 73.787,9.525 73.787,1.778 0.508,1.778
VDD_ETHERNET on Top Layer "VDD_ETHERNET_L01_P008" (solid, remove dead copper, pour order 8): 44.069,17.907 37.338,17.907 34.798,15.367 34.798,6.604 39.243,2.159 46.228,2.159 52.705,8.636 52.705,12.7 47.498,17.907
AGND on Top Layer "NONET_L01_P001" (solid, remove dead copper, shelved, pour order 1): 28.829,38.735 30.988,38.735 31.242,38.481 31.242,37.846 30.988,37.592 19.431,37.592 18.542,36.703 18.542,32.131 20.066,30.607 20.32,30.607 30.861,30.607 31.242,30.226 31.242,29.083 30.861,28.702 29.083,28.702 28.067,27.686 28.067,25.019 27.686,24.638 21.082,24.638 18.415,27.305 3.302,27.305 2.286,28.321 2.286,39.243 3.302,40.259 15.69,40.259 17.399,38.735
GND on Top Layer "NONET_L01_P014" (solid, remove dead copper, shelved, pour order 14): 0.508,74.93 1.27,75.692 73.787,75.692 73.787,24.13 72.136,24.13 72.136,20.193 70.358,20.193 70.358,18.288 72.136,18.288 72.136,15.494 72.009,15.367 70.358,15.367 70.358,13.462 72.263,13.462 72.263,9.525 73.787,9.525 73.787,1.778 0.508,1.778
AGND on Bottom Internal "AGND_L05_P012" (solid, remove dead copper, pour order 12): 28.829,38.735 30.988,38.735 31.242,38.481 31.242,37.846 30.988,37.592 19.431,37.592 18.542,36.703 18.542,32.131 20.066,30.607 20.32,30.607 30.861,30.607 31.242,30.226 31.242,29.083 30.861,28.702 29.083,28.702 28.067,27.686 28.067,25.019 27.686,24.638 21.082,24.638 18.415,27.305 3.302,27.305 2.286,28.321 2.286,39.243 3.302,40.259 15.69,40.259 17.399,38.735
AGND on Top Internal "AGND_L02_P002" (solid, remove dead copper, pour order 2): 28.829,38.735 30.988,38.735 31.242,38.481 31.242,37.846 30.988,37.592 19.431,37.592 18.542,36.703 18.542,32.131 20.066,30.607 20.32,30.607 30.861,30.607 31.242,30.226 31.242,29.083 30.861,28.702 29.083,28.702 28.067,27.686 28.067,25.019 27.686,24.638 21.082,24.638 18.415,27.305 3.302,27.305 2.286,28.321 2.286,39.243 3.302,40.259 15.69,40.259 17.399,38.735
VDD on VDD (split plane): 73.785,24.039 72.771,24.039 72.671,24.029 72.576,24 72.487,23.953 72.41,23.89 72.347,23.812 72.299,23.724 72.27,23.628 72.261,23.529 72.261,20.273 70.866,20.273 70.766,20.263 70.671,20.234 70.582,20.187 70.505,20.123 70.442,20.046 70.394,19.958 70.365,19.862 70.356,19.762 70.356,18.669 70.365,18.569 70.394,18.474 70.442,18.385 70.505,18.308 70.582,18.245 70.671,18.197 70.766,18.168 70.866,18.159 72.261,18.159 72.261,15.496 70.866,15.496 70.766,15.487 70.671,15.458 70.582,15.41 70.505,15.347 70.442,15.27 70.394,15.181 70.365,15.086 70.356,14.986 70.356,13.97 70.365,13.87 70.394,13.775 70.442,13.686 70.505,13.609 70.582,13.546 70.671,13.498 70.766,13.469 70.866,13.46 72.261,13.46 72.261,10.16 72.27,10.06 72.299,9.965 72.347,9.876 72.41,9.799 72.487,9.736 72.576,9.688 72.671,9.659 72.771,9.65 73.785,9.65 73.785,0.51 0.51,0.51 0.51,75.69 73.785,75.69
AGND on GND (split plane): 17.18,38.643 17.222,38.615 17.272,38.606 30.426,38.606 30.605,38.427 30.605,37.773 30.426,37.594 19.304,37.594 19.254,37.585 19.212,37.557 18.45,36.795 18.422,36.753 18.413,36.703 18.413,32.131 18.422,32.081 18.45,32.039 19.974,30.515 20.016,30.487 20.066,30.478 30.426,30.478 30.605,30.299 30.605,29.083 30.605,29.01 30.426,28.831 29.083,28.831 29.033,28.822 28.991,28.794 27.975,27.778 27.947,27.736 27.938,27.686 27.938,25.2 27.505,24.767 21.136,24.767 18.507,27.397 18.465,27.425 18.415,27.434 3.356,27.434 2.415,28.375 2.415,39.189 3.356,40.13 15.694,40.13
SHIELD on GND (split plane): 18.413,19.123 18.413,14.024 8.582,4.193 6.658,4.193 5.971,4.88 5.971,22.858 14.678,22.858
GND on GND (split plane): 73.785,24.039 72.771,24.039 72.671,24.029 72.576,24 72.487,23.953 72.41,23.89 72.347,23.812 72.299,23.724 72.27,23.628 72.261,23.529 72.261,20.273 70.866,20.273 70.766,20.263 70.671,20.234 70.582,20.187 70.505,20.123 70.442,20.046 70.394,19.958 70.365,19.862 70.356,19.762 70.356,18.669 70.365,18.569 70.394,18.474 70.442,18.385 70.505,18.308 70.582,18.245 70.671,18.197 70.766,18.168 70.866,18.159 72.261,18.159 72.261,15.496 70.866,15.496 70.766,15.487 70.671,15.458 70.582,15.41 70.505,15.347 70.442,15.27 70.394,15.181 70.365,15.086 70.356,14.986 70.356,13.97 70.365,13.87 70.394,13.775 70.442,13.686 70.505,13.609 70.582,13.546 70.671,13.498 70.766,13.469 70.866,13.46 72.261,13.46 72.261,10.16 72.27,10.06 72.299,9.965 72.347,9.876 72.41,9.799 72.487,9.736 72.576,9.688 72.671,9.659 72.771,9.65 73.785,9.65 73.785,0.51 0.51,0.51 0.51,75.69 73.785,75.69

## Other copper
VDD (plane layer: these items are gaps in the copper):
  lines w0.254: 2.286,39.243 2.286,28.321 3.302,27.305 18.415,27.305 21.082,24.638 27.559,24.638 28.067,25.146 28.067,27.686 29.21,28.829 30.353,28.829 30.607,29.083 30.607,30.226 30.226,30.607 20.066,30.607 18.542,32.131 18.542,36.703 19.431,37.592 30.48,37.592 30.734,37.846 30.734,38.608 30.48,38.862 17.399,38.862 17.145,38.862 15.748,40.259 3.302,40.259
GND (plane layer: these items are gaps in the copper):
  lines w0.254: 2.286,28.321 3.302,27.305 18.415,27.305 21.082,24.638 27.559,24.638 28.067,25.146 28.067,27.686 29.083,28.702 30.48,28.702 30.734,28.956 30.734,29.083 30.734,30.353 30.48,30.607 20.066,30.607 18.542,32.131 18.542,36.703 19.304,37.465 30.48,37.465 30.734,37.719 30.734,38.481 30.48,38.735 17.272,38.735 15.748,40.259 3.302,40.259 2.286,39.243 2.286,28.321 ; 5.842,4.826 6.604,4.064 8.636,4.064 18.542,13.97 18.542,19.177 14.732,22.987 5.842,22.987 5.842,4.826

## Silkscreen, mask and mechanical layers (free items; w line width, h text height)
Top Overlay:
  lines w0.254: 61.087,2.032 73.533,2.032 73.533,5.969 61.087,5.969 61.087,2.032
  text "UPV                         Vicente Beltran Morte Gianmarco Sangoi" at 61.468,0.858 h1.27
Top Solder:
  rectangle: 31.75,46.101 49.784,47.752
  rectangle: 50.673,27.178 52.324,45.339
  rectangle: 31.75,24.638 49.784,26.289
  rectangle: 29.21,27.051 30.861,45.212
  region: 50.546,12.7 50.228,12.383 50.355,12.255 50.673,12.573
  region: 53.34,12.7 53.657,12.382 53.53,12.255 53.213,12.573
  region: 53.467,9.779 53.086,9.398 53.276,9.207 53.657,9.588
  region: 50.355,9.842 50.8,9.398 50.609,9.207 50.165,9.652

## Text inside footprints (layer, text, board x,y; h text height)
CN42: Mechanical 1 "Board edge" at 72.703,22.441 h0.2 r90
P41: Top Overlay "2" at 23.622,52.959 h1.27; Top Overlay "1" at 23.749,55.499 h1.27; Top Overlay "15" at 0.508,55.499 h1.27; Top Overlay "16" at 0.508,52.832 h1.27